# Allegro board HY_MPMB_2S12_RZ_V10A.brd
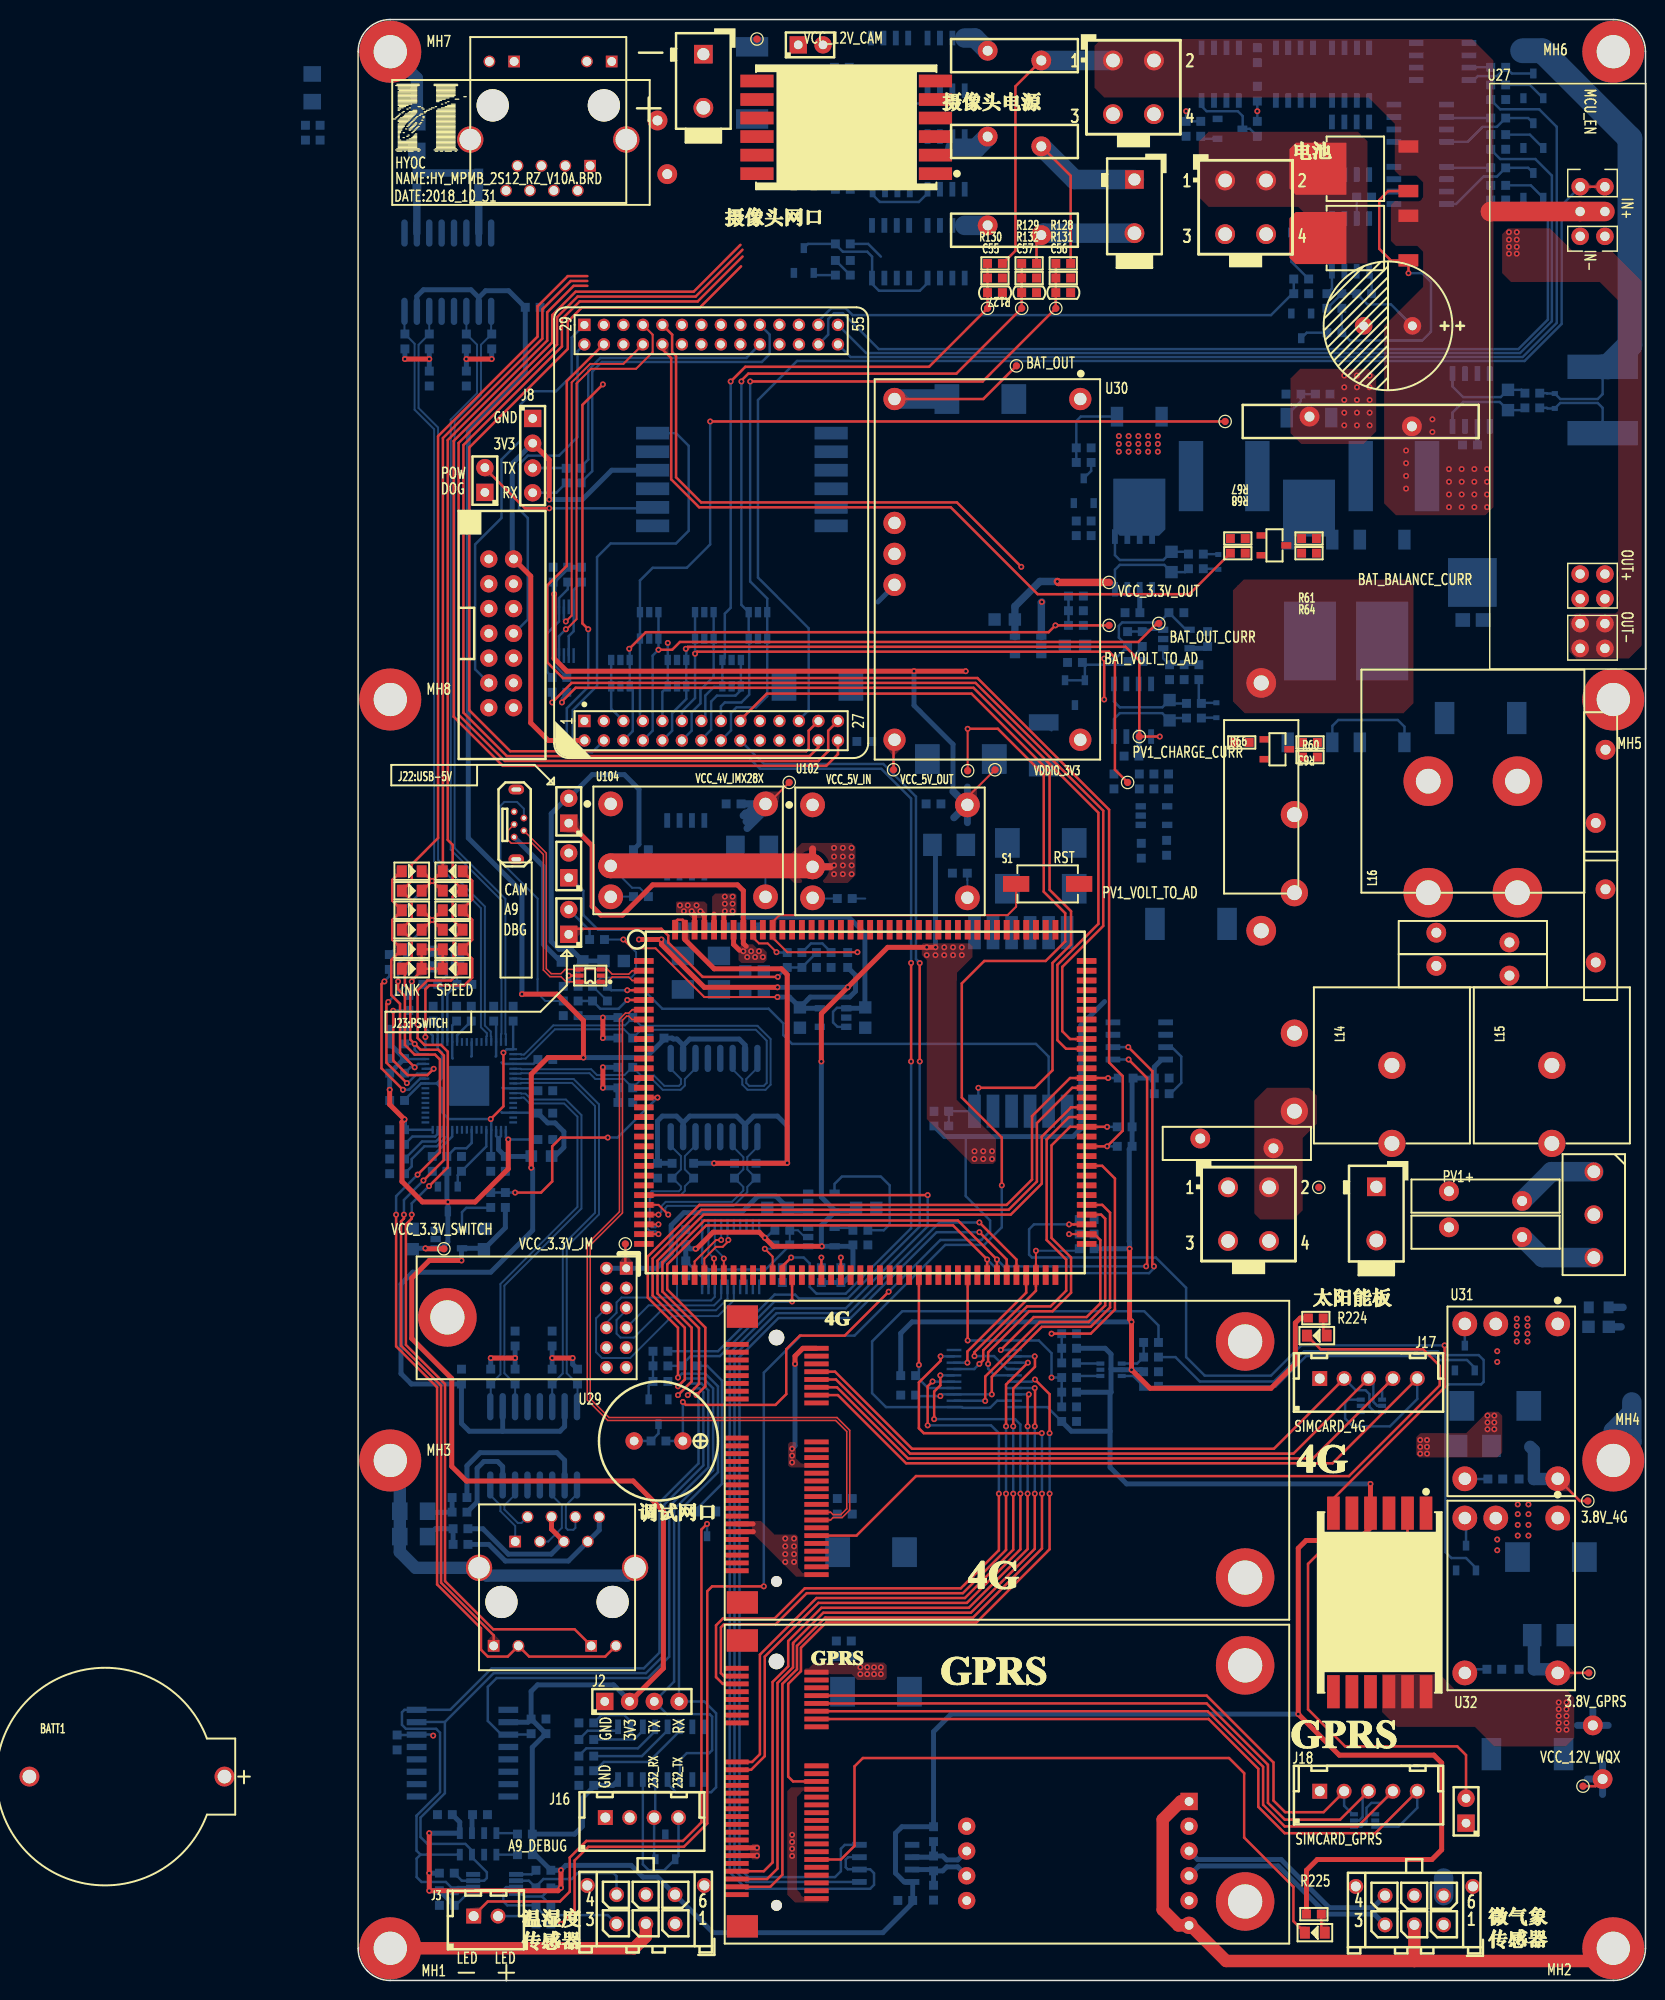
[diagram p0: board, top side]
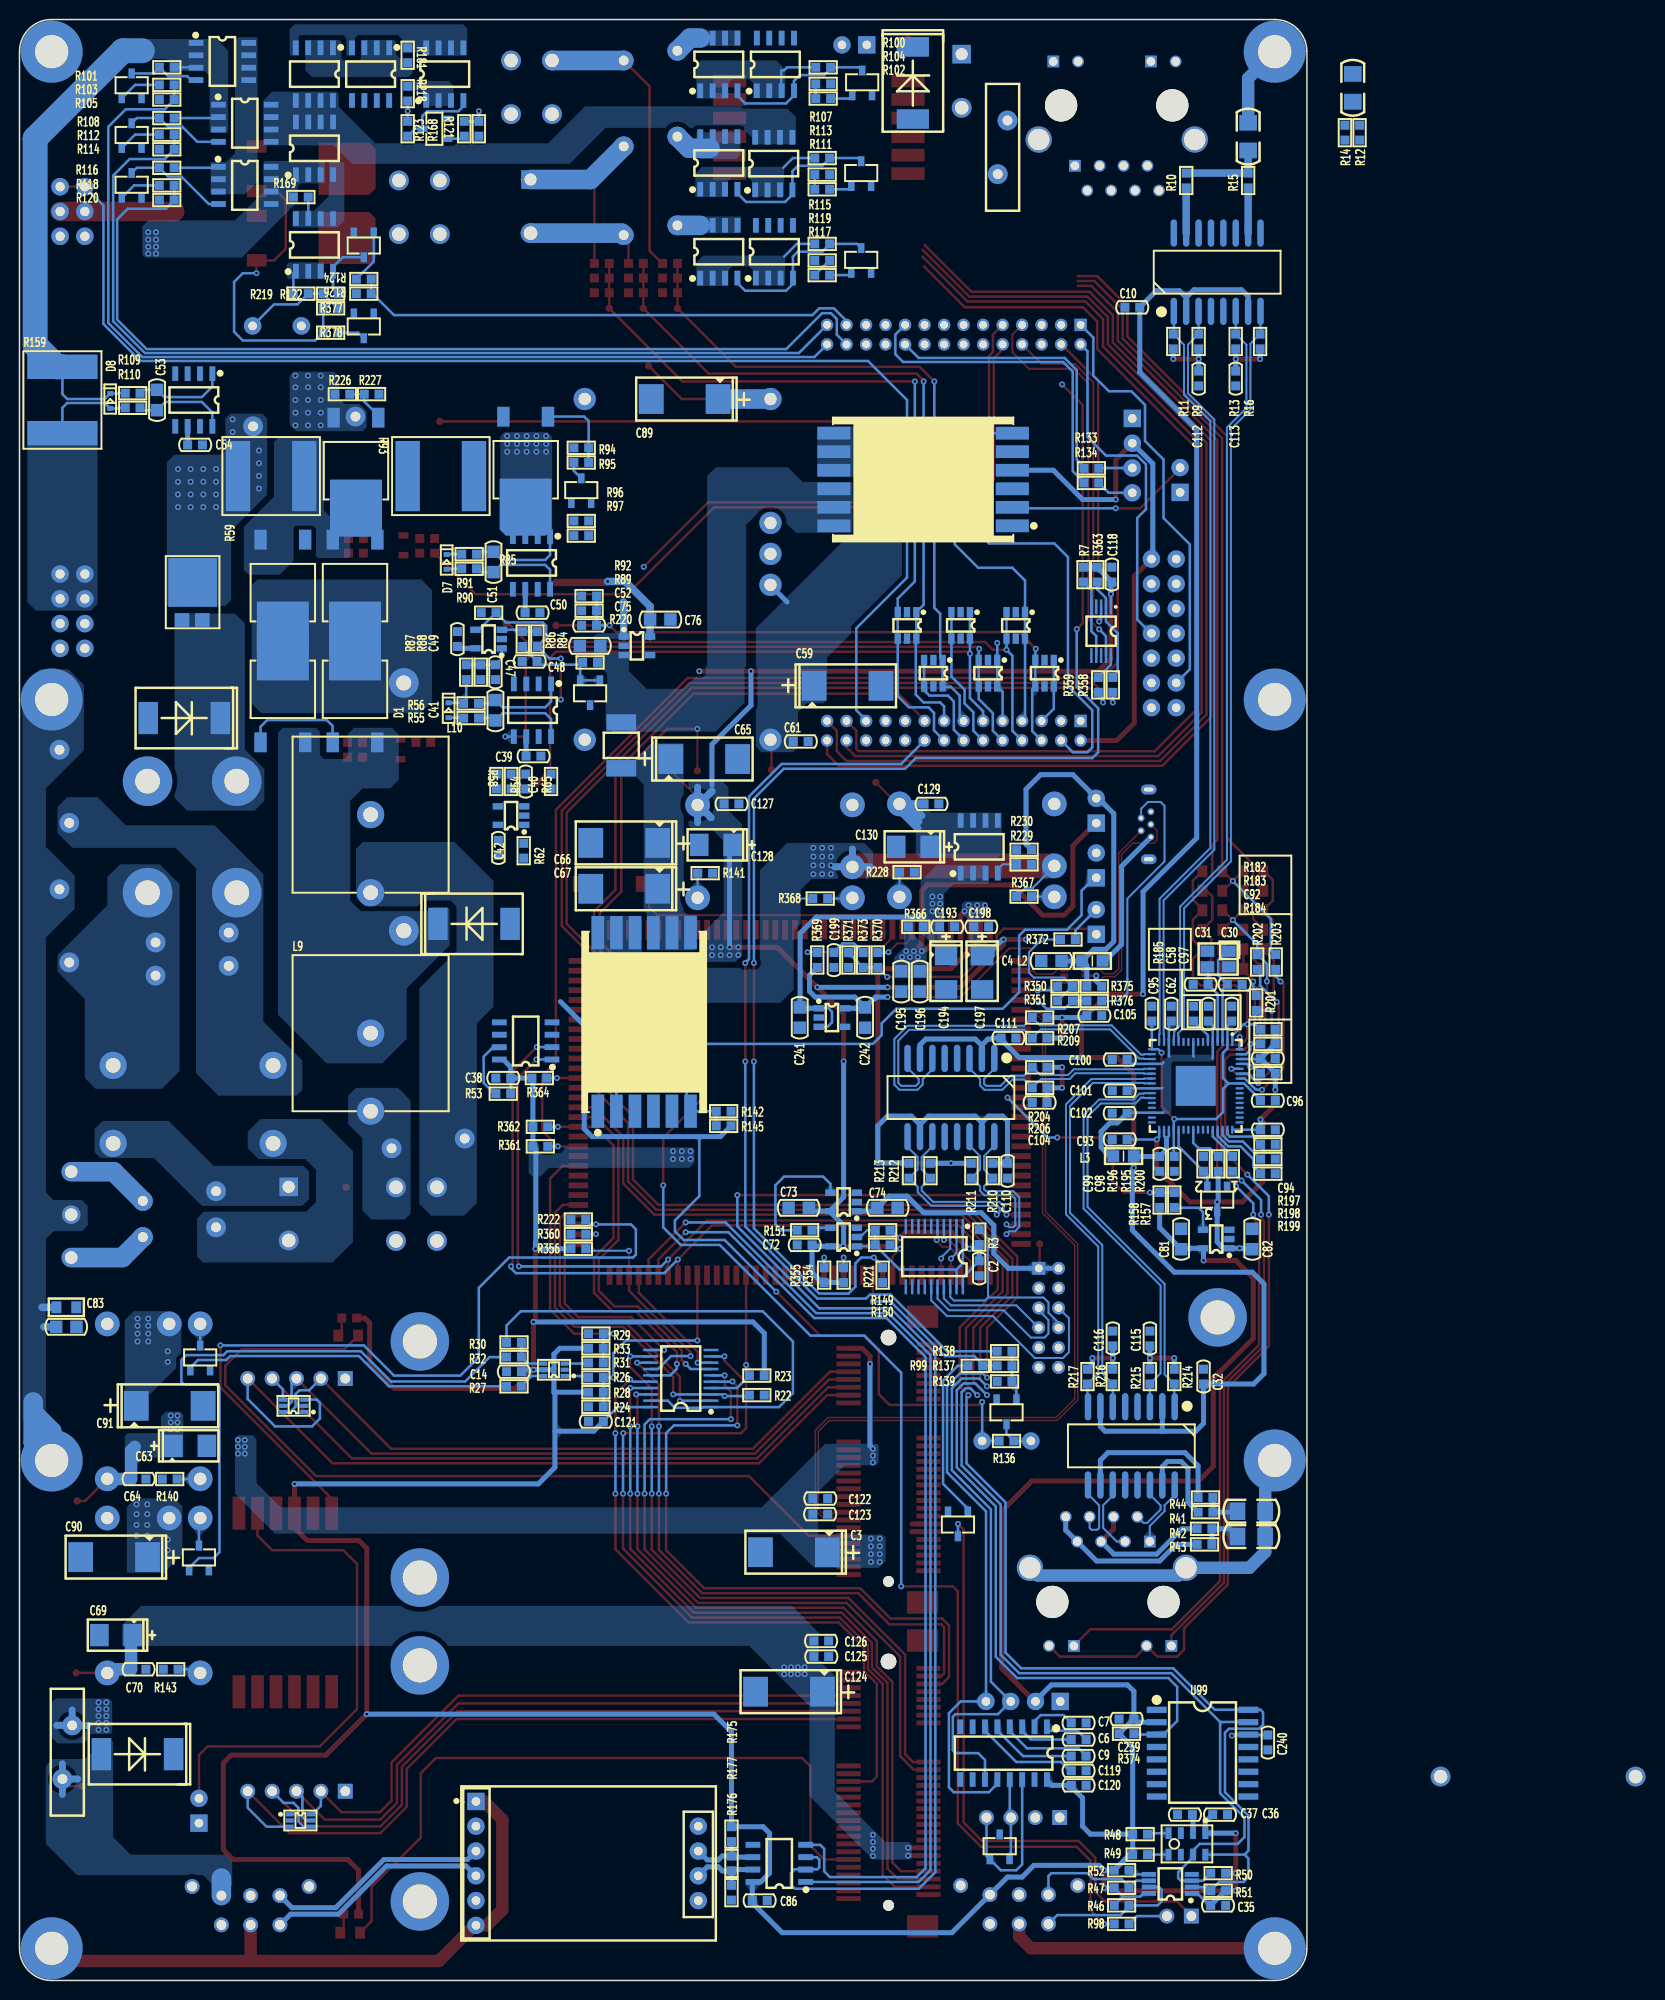
[diagram p1: board, bottom side, seen from below]

Outline 132 x 201 mm; copper layers: TOP, L02_GND, L03_VCC, BOTTOM. Coordinates in mm from the lower left corner of the outline.
Outline path: 0,197.7 0,3.3 arc(0.97,0.97) 3.3,0 128.7,0 arc(131.03,0.97) 132,3.3 132,197.7 arc(131.03,200.03) 128.7,201 3.3,201 arc(0.97,200.03) 0,197.7

## Design rules (mm)
constraint set DEFAULT: min track width 0.203, pair gap 0.203
net group DP1: nets A B
net group DP2: nets DEBUG_RXN DEBUG_RXP
net group DP3: nets DEBUG_TXN DEBUG_TXP
net group DP4: nets RXN RXP
net group DP5: nets USB_0_DM USB_0_DP
net group DP6: nets ENET0_TXN0 ENET0_TXP0
net group DP7: nets TXN2 TXP2
net group DP8: nets RXN1 RXP1
net group DP9: nets RXN3 RXP3
net group DP10: nets TXN TXP
net group DP11: nets ENET0_RXN0 ENET0_RXP0
net group DP12: nets TXN1 TXP1
net group DP13: nets TXN3 TXP3
net group DP14: nets RXN2 RXP2
net group DP15: nets USB_1_DM USB_1_DP

## Placement (name value [footprint] x y rotation side)
BATT1  -  [CR2032]  -23.7 20.9 0 top
C2  0.1uF_50V  [CC0603]  33.6 73 270 bottom
C3  220uF_10V  [CC7343_31]  52.6 43.9 0 bottom
C4  10uF_25V  [CC0805]  26.2 104.5 180 bottom
C6  0.1uF_50V  [CC0603]  23.4 24.7 0 bottom
C7  0.1uF_50V  [CC0603]  23.4 26.4 0 bottom
C8  1nF_2000V  [C1206]  -4.7 194 270 bottom
C9  0.1uF_50V  [CC0603]  23.4 23 0 bottom
C10  0.1uF_50V  [CC0603]  17.9 171.5 0 bottom
C11  1nF_2000V  [C1206]  6.03 189 270 bottom
C14  0.1uF_50V  [CC0603]  81.3 62.4 0 bottom
C30  18pF_50V  [CC0603]  7.4 102.1 0 bottom
C31  18pF_50V  [CC0603]  10.9 102.1 180 bottom
C32  0.1uF_50V  [CC0603]  10.6 61.9 90 bottom
C33  1nF_2000V  [C1206]  5.7 48.1 0 bottom
C34  1nF_2000V  [C1206]  5.7 45.5 0 bottom
C35  0.1uF_50V  [CC0603]  9.1 7.7 0 bottom
C36  0.1uF_50V  [CC0603]  8.9 17 0 bottom
C37  0.1uF_50V  [CC0603]  12.5 17 0 bottom
C38  0.1uF_50V  [CC0603]  82.4 92.5 180 bottom
C39  0.1uF_50V  [CC0603]  79.3 125.5 180 bottom
C40  18pF_50V  [CC0603]  80.1 122.9 270 bottom
C41  10uF_25V  [CC0805]  83.2 130.2 270 bottom
C42  0.1uF_50V  [CC0603]  82.9 116.1 270 bottom
C47  0.1uF_50V  [CC0603]  87.1 137.5 270 bottom
C48  0.1uF_50V  [CC0603]  79.7 135.2 180 bottom
C49  0.1uF_50V  [CC0603]  83.2 134.1 270 bottom
C50  0.1uF_50V  [CC0603]  79.4 140.2 180 bottom
C51  10uF_25V  [CC0805]  83.4 145.4 270 bottom
C52  18pF_50V  [CC0603]  73.6 138.9 180 bottom
C53  10uF_25V  [CC0805]  117.9 162 270 bottom
C54  0.1uF_50V  [CC0603]  114 157.4 180 bottom
C55  18pF_50V  [CC0603]  65.3 173 0 top
C56  18pF_50V  [CC0603]  72.3 173 0 top
C57  18pF_50V  [CC0603]  68.8 173 0 top
C58  0.1uF_50V  [CC0603]  10.1 99.1 270 bottom
C59  47uF_25V  [CC7343_31]  47.1 132.7 180 bottom
C61  0.1uF_50V  [CC0603]  51.9 127 180 bottom
C62  0.1uF_50V  [CC0603]  13.9 99.1 270 bottom
C63  47uF_10V  [CC3528_12]  114.5 54.8 0 bottom
C64  0.1uF_50V  [CC0603]  119.8 51.4 180 bottom
C65  47uF_25V  [CC7343_31]  61.8 125.2 180 bottom
C66  47uF_25V  [CC7343_31]  70 116.6 0 bottom
C67  47uF_25V  [CC7343_31]  70 111.9 0 bottom
C69  47uF_10V  [CC3528_12]  122.1 35.4 180 bottom
C70  0.1uF_50V  [CC0603]  119.8 31.9 180 bottom
C72  0.1uF_50V  [CC0603]  51.5 75.4 180 bottom
C73  10uF_25V  [CC0805]  52.1 79.2 0 bottom
C74  10uF_25V  [CC0805]  43 79.2 180 bottom
C75  10uF_25V  [CC0805]  73.5 136.8 0 bottom
C76  10uF_25V  [CC0805]  66.3 139.5 180 bottom
C81  10uF_25V  [CC0805]  12.9 76 90 bottom
C82  10uF_25V  [CC0805]  5.6 76 90 bottom
C83  4.7nF_50V/NI  [CC0805]  127.2 67 0 bottom
C86  0.1uF_50V  [CC0603]  56.1 8.2 0 bottom
C89  47uF_25V  [CC7343_31]  63.8 162.1 0 bottom
C90  47uF_25V  [CC7343_31]  122.3 43.4 0 bottom
C91  47uF_25V  [CC7343_31]  116.6 58.9 180 bottom
C92  0.1uF_50V  [CC0603]  4 94.5 0 bottom
C93  0.1uF_50V  [CC0603]  19.2 86.2 180 bottom
C94  0.1uF_50V  [CC0603]  4 87.2 0 bottom
C95  0.1uF_50V  [CC0603]  15.9 99.1 270 bottom
C96  0.1uF_50V  [CC0603]  4 90.2 0 bottom
C97  0.1uF_50V  [CC0603]  7.7 99.1 270 bottom
C98  0.1uF_50V  [CC0603]  13.6 83.7 90 bottom
C99  0.1uF_50V  [CC0603]  15.1 83.7 90 bottom
C100  0.1uF_50V  [CC0603]  19.2 94.4 180 bottom
C101  0.1uF_50V  [CC0603]  19.2 91.2 180 bottom
C102  0.1uF_50V  [CC0603]  19.2 88.9 180 bottom
C104  0.1uF_50V  [CC0603]  27.4 90 0 bottom
C105  0.1uF_50V  [CC0603]  21.8 98.9 180 bottom
C110  0.1uF_50V  [CC0603]  30.7 83 270 bottom
C111  0.1uF_50V  [CC0603]  30.6 96.6 0 bottom
C112  0.1uF_50V  [CC0603]  11.1 164.2 270 bottom
C113  0.1uF_50V  [CC0603]  7.3 164.2 270 bottom
C115  0.1uF_50V  [CC0603]  16.1 65.8 90 bottom
C116  0.1uF_50V  [CC0603]  19.9 65.8 90 bottom
C117  1000uF_50V  [CAP-5R0-13X27]  105.6 169.6 180 top
C118  0.1uF_50V  [CC0603]  20 144.1 90 bottom
C119  0.1uF_50V  [CC0603]  23.4 21.5 0 bottom
C120  0.1uF_50V  [CC0603]  23.4 20 0 bottom
C121  0.1uF_50V  [CC0603]  72.9 57.3 0 bottom
C122  0.1uF_50V  [CC0603]  49.9 49.4 180 bottom
C123  1nF_50V  [CC0603]  49.9 47.8 0 bottom
C124  220uF_10V  [CC7343_31]  53.1 29.6 0 bottom
C125  0.1uF_50V  [CC0603]  49.8 33.2 180 bottom
C126  1nF_50V  [CC0603]  49.8 34.8 0 bottom
C127  0.1uF_50V  [CC0603]  59 120.6 180 bottom
C128  47uF_10V  [CC3528_12]  60.6 116.4 180 bottom
C129  0.1uF_50V  [CC0603]  38.5 120.6 180 bottom
C130  47uF_10V  [CC3528_12]  40.4 116.2 180 bottom
C193  0.1uF_50V  [CC0603]  36.9 108 180 bottom
C194  47uF_10V  [CC3528_12]  37 103.3 90 bottom
C195  10uF_25V  [CC0805]  41.6 102.4 270 bottom
C196  10uF_25V  [CC0805]  39.7 102.4 270 bottom
C197  47uF_10V  [CC3528_12]  33.3 103.3 90 bottom
C198  0.1uF_50V  [CC0603]  33.4 108 180 bottom
C199  0.1uF_50V  [CC0603]  48.5 104.6 270 bottom
C239  0.1uF_50V  [CC0603]  18.5 26.8 180 bottom
C240  0.1uF_50V  [CC0603]  4 24.4 270 bottom
C241  10uF_25V  [CC0805]  52 98.7 270 bottom
C242  10uF_25V  [CC0805]  45.3 98.7 270 bottom
D1  VESD01-02V-G-08  [SOD-523]  88 130.2 270 bottom
D7  VESD01-02V-G-08  [SOD-523]  88.2 145.4 270 bottom
D8  VESD01-02V-G-08  [SOD-523]  122.7 161.9 270 bottom
D9  SMDJ22CA  [DO-214AB]  40.4 194.5 270 bottom
D12  LED_GREEN/NI  [LED0805]  9.7 113.7 180 top
D16  SMDJ22CA  [DO-214AB]  119.9 23.2 0 bottom
D17  LED_GREEN/NI  [LED0805]  9.7 111.7 180 top
D18  LED_GREEN  [LED0805]  9.7 109.7 180 top
D19  LED_GREEN/NI  [LED0805]  9.7 107.7 180 top
D20  LED_GREEN/NI  [LED0805]  9.7 105.7 180 top
D21  LED_GREEN  [LED0805]  9.7 103.7 180 top
D22  LED_YELLOW/NI  [LED0805]  5.5 113.7 0 top
D23  LED_YELLOW/NI  [LED0805]  5.5 111.7 0 top
D24  LED_YELLOW  [LED0805]  5.5 109.7 0 top
D25  LED_YELLOW/NI  [LED0805]  5.5 107.7 0 top
D26  LED_YELLOW/NI  [LED0805]  5.5 105.7 0 top
D27  LED_YELLOW  [LED0805]  5.5 103.7 0 top
D30  LED_GREEN  [LED0805]  98.3 66.1 180 top
D31  LED_GREEN  [LED0805]  98.1 4.9 180 top
D32  SMDJ22A  [DO-214AB]  85.4 108.3 180 bottom
D33  SMDJ22A  [DO-214AB]  115.1 129.4 0 bottom
D34  V10P10  [TO-227A]  114.3 143.3 180 bottom
F4  -  [JK30-300]  127.1 23.4 270 bottom
F5  -  [JK30-300]  67.3 197.3 180 top
F6  -  [JK30-300]  67.3 179.4 180 top
F7  -  [JK30-300]  31.2 187.9 90 bottom
F8  JK30-500  [JK30-900]  102.8 159.8 0 top
F9  -  [JK30-300]  67.3 188.5 180 top
GDT4  -  [3RM075L-6]  126.7 78.5 270 top
J1  RJ45/1X8/BILED  [RJ45X1_LED_VTK]  11.5 182.2 0 top
J2  -  [HEADER4X1_2R54]  29.1 28.6 0 top
J3  -  [XHB-2A]  13.1 6.6 0 top
J4  RJ45/1X8/BILED  [RJ45X1_LED_VTK]  28.4 48.8 180 top
J5  3928-1043  [5566_04A]  89.2 75.8 0 top
J8  -  [HEADER4X1_2R54]  17.9 156.3 270 top
J9  HEADER7X2_2R54  [HEADER7X2_2R54_JTAG]  13.4 145.7 270 top
J10  -  [HEADER2X1_2R54]  13 153.8 90 top
J11  3928-1023  [5566_02A]  35.4 194.7 0 top
J13  3928-1043  [5566_04A]  77.4 191.3 0 top
J14  HEADER2X1_2R54/NI  [HEADER2X1_2R54]  46.4 198.4 0 top
J15  HEADER2X1_2R54/NI  [HEADER2X1_2R54]  113.6 17.4 90 top
J16  XHB-4A  [XH-4A]  29.1 16.7 0 top
J17  -  [XHB-5A]  103.6 61.7 0 top
J18  -  [XHB-5A]  103.6 19.4 0 top
J19  43045-0612/NI  [43045-0612]  26.5 5.8 0 top
J20  -  [43045-0612]  105.3 5.7 0 top
J21  HEADER2X1_2R54/NI  [HEADER2X1_2R54]  21.6 114.3 90 top
J22  -  [HEADER2X1_2R54]  21.6 119.9 90 top
J23  -  [HEADER2X1_2R54]  21.6 108.5 90 top
J25  3928-1023  [5566_02A]  104.4 78.6 0 top
J26  3928-1023  [5566_02A]  79.6 181.85 0 top
J27  3928-1043  [5566_04A]  88.9 179 0 top
L2  BLM21PG600  [LC0805]  22 104.5 180 bottom
L3  BLM21PG600  [LC0805]  18.8 84.5 0 bottom
L8  FBMH4532HM132-T  [L1812]  70.3 126.6 270 bottom
L9  204-L-1mH  [204-L-1MH]  96 89.1 90 bottom
L10  204-L-1mH  [204-L-1MH]  96 111.5 90 bottom
L14  204-L-1mH  [204-L-1MH]  106 85.8 90 top
L15  204-L-1mH  [204-L-1MH]  122.4 85.8 90 top
L16  204-LLB-1mH  [204-LLB-1MH]  114.3 111.5 90 top
MH1  HOLD-M3  [HOLD250D134]  3.3 3.3 0 top
MH2  HOLD-M3  [HOLD250D134]  128.7 3.3 0 top
MH3  HOLD-M3  [HOLD250D134]  3.3 53.3 0 top
MH4  HOLD-M3  [HOLD250D134]  128.7 53.3 0 top
MH5  HOLD-M3  [HOLD250D134]  128.7 131.3 0 top
MH6  HOLD-M3  [HOLD250D134]  128.7 197.7 0 top
MH7  HOLD-M3  [HOLD250D134]  3.3 197.7 0 top
MH8  HOLD-M3  [HOLD250D134]  3.3 131.3 0 top
NOREF  -  []  0 0 90 top
NOREF#2  -  []  -0.21 0 0 top
NOREF#3  -  []  0 0 0 top
NOREF#4  -  []  0 0 90 top
NOREF#5  -  []  0 0 90 top
NOREF#6  -  []  0 0 90 top
NOREF#7  -  []  0 0 0 top
NOREF#8  -  []  0 0 0 top
NOREF#9  -  []  0 0 90 top
Q1  NCE60P50K  [TO-252-2L]  97.6 132.5 180 bottom
Q2  NCE60P50K  [TO-252-2L]  105 142.1 0 bottom
Q3  2N7002  [SOT23-3]  94.2 126.2 270 top
Q4  2N7002  [SOT23-3]  93.9 147.1 270 top
Q9  NCE60P50K  [TO-252-2L]  80.1 154.7 0 bottom
Q10  2N7002  [SOT23-3]  74.4 152.7 180 bottom
Q11  2N7002  [SOT23-3]  30.8 58.3 0 bottom
Q12  IRF9321TRPbF  [SOIC8]  60.3 196.4 180 bottom
Q13  IRF9321TRPbF  [SOIC8]  54.5 196.4 180 bottom
Q14  IRF9321TRPbF  [SOIC8]  111.2 196.7 270 bottom
Q15  2N7002  [SOT23-3]  45.6 194.5 180 bottom
Q16  2N7002  [SOT23-3]  120.5 194.2 180 bottom
Q17  IRF9321TRPbF  [SOIC8]  60.3 186.3 180 bottom
Q18  IRF9321TRPbF  [SOIC8]  54.67 186.23 180 bottom
Q19  IRF9321TRPbF  [SOIC8]  108.9 190.37 270 bottom
Q20  2N7002  [SOT23-3]  45.7 185.2 180 bottom
Q21  2N7002  [SOT23-3]  120.5 189.1 180 bottom
Q22  IRF9321TRPbF  [SOIC8]  60.3 177.2 180 bottom
Q23  IRF9321TRPbF  [SOIC8]  54.6 177.2 180 bottom
Q24  IRF9321TRPbF  [SOIC8]  108.9 184 270 bottom
Q25  2N7002  [SOT23-3]  45.7 176.3 180 bottom
Q26  2N7002  [SOT23-3]  120.5 184 180 bottom
Q28  IRF9321TRPbF  [SOIC8]  88.4 195.4 180 bottom
Q29  IRF9321TRPbF  [SOIC8]  101.76 177.9 180 bottom
Q30  2N7002  [SOT23-3]  89.4 189.8 90 bottom
Q31  2N7002  [SOT23-3]  96.7 177.9 0 bottom
Q45  2N7002  [SOT23-3]  113.47 63.8 180 bottom
Q47  2N7002  [SOT23-3]  113.6 43.3 180 bottom
Q53  AO4402  [SOIC8]  101.76 195.4 0 bottom
Q54  AO4402  [SOIC8]  96 195.4 0 bottom
Q55  AO4402  [SOIC8]  101.76 187.8 180 bottom
Q56  2N7002  [SOT23-3]  35.78 46.8 0 bottom
Q57  NCE60P50K  [TO-252-2L]  97.5 154.6 0 bottom
Q58  IRF9321TRPbF  [SOIC8]  33.6 116.2 180 bottom
Q59  NCE60P50K  [TO-252-2L]  105 132.5 180 bottom
Q60  NCE60P50K  [TO-252-2L]  97.6 142.1 0 bottom
Q61  NCE60P50K  [TO-252-2L]  102.1 185.7 90 top
Q62  2N7002  [SOT23-3]  96.7 169.6 0 bottom
Q63  NCE60P50K  [TO-252-2L]  102.1 178.6 90 top
R3  47K  [RC0603]  33.6 76.2 90 bottom
R7  10K  [RC0603]  22.9 144.1 270 bottom
R9  49.9R  [RC0603]  11.1 168 270 bottom
R10  75R  [RC0603]  12.38 184.5 90 bottom
R11  49.9R  [RC0603]  13.7 168 270 bottom
R12  75R  [RC0603]  -5.4 189.4 90 bottom
R13  49.9R  [RC0603]  7.3 168 270 bottom
R14  75R  [RC0603]  -3.9 189.4 90 bottom
R15  75R  [RC0603]  6.03 184.5 90 bottom
R16  49.9R  [RC0603]  4.8 168 270 bottom
R22  47K  [RC0603]  56.4 60 0 bottom
R23  10K  [RC0603]  56.4 62 0 bottom
R24  47K  [RC0603]  72.9 58.8 0 bottom
R26  1K  [RC0603]  72.9 61.8 0 bottom
R27  1K  [RC0603]  81.3 60.9 0 bottom
R28  10K/NI  [RC0603]  72.9 60.3 180 bottom
R29  47K  [RC0603]  72.9 66.3 0 bottom
R30  1K  [RC0603]  81.3 65.4 0 bottom
R31  1K  [RC0603]  72.9 63.3 0 bottom
R32  1K  [RC0603]  81.3 63.9 0 bottom
R33  10K/NI  [RC0603]  72.9 64.8 180 bottom
R41  75R  [RC0603]  10.4 48 180 bottom
R42  75R  [RC0603]  10.5 46.3 180 bottom
R43  75R  [RC0603]  10.5 44.7 180 bottom
R44  75R  [RC0603]  10.4 49.5 180 bottom
R46  10K  [RC0603]  19 7.7 180 bottom
R47  10K  [RC0603]  19 9.5 180 bottom
R48  4.7K  [RC0603]  17.1 15 180 bottom
R49  10K  [RC0603]  17.1 12.9 180 bottom
R50  10K  [RC0603]  9.1 11 0 bottom
R51  10K  [RC0603]  9.1 9.2 0 bottom
R52  10K/NI  [RC0603]  19 11.3 180 bottom
R53  10K  [RC0603]  82.4 90.9 0 bottom
R54  4.7K  [RC0603]  81.6 122.9 90 bottom
R55  10R  [RC0603]  85.7 129.4 0 bottom
R56  10R  [RC0603]  85.7 130.9 0 bottom
R57  100R/2W  [RES1000]  92.6 107.6 0 top
R58  47K  [RC0603]  83.1 122.9 270 bottom
R59  0.015R/4W  [RC_6871]  106.2 154.2 0 bottom
R60  39.2K  [RC0603]  97.6 126.9 180 top
R61  39.2K  [RC0603]  97.5 147.8 0 top
R62  47K  [RC0603]  80.3 115.8 270 bottom
R63  20K  [RC0603]  97.6 125.4 180 top
R64  20K  [RC0603]  97.5 146.3 180 top
R65  1K  [RC0603]  77.5 122.9 270 bottom
R66  4.7K  [RC0603]  90.6 126.9 0 top
R67  4.7K  [RC0603]  90.2 147.8 0 top
R68  47K  [RC0603]  90.2 146.3 180 top
R84  5.62K  [RC0603]  78.9 137.5 270 bottom
R85  10K  [RC0603]  83.9 140.2 0 bottom
R86  1K  [RC0603]  80.4 137.5 90 bottom
R87  47K  [RC0603]  86.2 134.1 90 bottom
R88  10K  [RC0603]  84.7 134.1 90 bottom
R89  10K  [RC0603]  73.6 140.4 0 bottom
R90  10R  [RC0603]  85.9 144.7 0 bottom
R91  10R  [RC0603]  85.9 146.2 0 bottom
R92  47K  [RC0603]  73.6 141.9 180 bottom
R93  0.025R/4W  [RC_6871]  88.8 154.2 180 bottom
R94  39.2K  [RC0603]  74.4 157.1 0 bottom
R95  20K  [RC0603]  74.4 155.6 0 bottom
R96  4.7K  [RC0603]  74.4 149.6 0 bottom
R97  47K  [RC0603]  74.4 148.1 180 bottom
R98  4.7K  [RC0603]  19 5.8 180 bottom
R99  4.7K  [RC0603]  34 63 0 bottom
R100  47K  [RC0603]  49.6 196.1 0 bottom
R101  47K  [RC0603]  116.9 196.1 180 bottom
R102  4.7K  [RC0603]  49.6 192.9 180 bottom
R103  4.7K  [RC0603]  116.9 194.3 0 bottom
R104  47K  [RC0603]  49.6 194.4 0 bottom
R105  47K  [RC0603]  116.9 192.8 180 bottom
R107  47K  [RC0603]  49.7 186.8 0 bottom
R108  47K  [RC0603]  116.9 190.9 180 bottom
R109  10R  [RC0603]  120.4 162.7 0 bottom
R110  10R  [RC0603]  120.4 161.2 0 bottom
R111  4.7K  [RC0603]  49.7 183.6 180 bottom
R112  4.7K  [RC0603]  116.9 189.2 0 bottom
R113  47K  [RC0603]  49.7 185.1 0 bottom
R114  47K  [RC0603]  116.9 187.7 180 bottom
R115  47K  [RC0603]  49.7 178 0 bottom
R116  47K  [RC0603]  116.9 185.8 180 bottom
R117  4.7K  [RC0603]  49.7 174.8 180 bottom
R118  4.7K  [RC0603]  116.9 184 0 bottom
R119  47K  [RC0603]  49.7 176.3 180 bottom
R120  47K  [RC0603]  116.9 182.5 180 bottom
R121  47K  [RC0603]  92.2 189.8 90 bottom
R122  47K  [RC0603]  100.1 172.9 0 bottom
R123  4.7K  [RC0603]  86.4 189.8 270 bottom
R124  4.7K  [RC0603]  96.7 174.4 0 bottom
R126  47K  [RC0603]  96.7 172.9 180 bottom
R127  47K  [RC0603]  65.3 176 0 top
R128  47K  [RC0603]  72.3 176 0 top
R129  47K  [RC0603]  68.8 176 0 top
R130  10K  [RC0603]  65.3 174.5 180 top
R131  10K  [RC0603]  72.3 174.5 180 top
R132  10K  [RC0603]  68.8 174.5 180 top
R133  1K  [RC0603]  22.1 155 180 bottom
R134  1K  [RC0603]  22.1 153.5 180 bottom
R136  1K  [RC0603]  30.8 55.3 180 bottom
R137  4.7K/NI  [RC0603]  31 63 180 bottom
R138  4.7K  [RC0603]  31 64.5 180 bottom
R139  47K  [RC0603]  31 61.4 180 bottom
R140  6.34K  [RC0603]  116.6 51.4 180 bottom
R141  402R  [RC0603]  61.7 113.5 180 bottom
R142  47K/NI  [RC0603]  59.8 89.1 180 bottom
R143  4.99K  [RC0603]  116.5 31.9 180 bottom
R145  10K  [RC0603]  59.8 87.6 0 bottom
R149  47K  [RC0603]  43.5 76.9 180 bottom
R150  20R  [RC0603]  43.5 75.4 180 bottom
R151  1K  [RC0603]  51.5 76.9 180 bottom
R156  10M/NI  [R0805]  127.2 69 180 bottom
R157  4.7K  [RC0603]  13.6 80 270 bottom
R158  47K  [RC0603]  15.1 80 270 bottom
R159  0.025R/4W  [RC_6871]  127.6 162 270 bottom
R168  47K  [RC0603]  84.9 189.8 90 bottom
R169  47K  [RC0603]  103.15 182.8 0 bottom
R175  4.7K  [RC0603]  59 15 270 bottom
R176  4.7K  [RC0603]  59 9 270 bottom
R177  120R/NI  [RC0603]  59 12 270 bottom
R181  47K  [RC0603]  92.2 197.34 270 bottom
R182  4.7K  [RC0603]  4 97.5 0 bottom
R183  4.7K/NI  [RC0603]  4 96 180 bottom
R184  4.7K  [RC0603]  4 93 180 bottom
R185  4.99K  [RC0603]  11.6 99.1 270 bottom
R195  4.7K  [RC0603]  9.1 83.7 270 bottom
R196  100K  [RC0603]  10.6 83.7 270 bottom
R197  4.7K  [RC0603]  4 85.7 180 bottom
R198  4.7K/NI  [RC0603]  4 84.2 180 bottom
R199  4.7K  [RC0603]  4 82.7 180 bottom
R200  4.7K  [RC0603]  7.6 83.7 270 bottom
R201  4.7K  [RC0603]  5.2 100.2 90 bottom
R202  4.7K  [RC0603]  5.1 104.4 90 bottom
R203  4.7K  [RC0603]  3.2 104.4 90 bottom
R204  49.9R  [RC0603]  27.4 93.6 0 bottom
R206  49.9R  [RC0603]  27.4 91.5 0 bottom
R207  49.9R  [RC0603]  27.4 98.7 0 bottom
R209  49.9R  [RC0603]  27.4 96.6 0 bottom
R210  49.9R  [RC0603]  32.2 83 90 bottom
R211  49.9R  [RC0603]  34.4 83 90 bottom
R212  49.9R  [RC0603]  38.6 83 90 bottom
R213  49.9R  [RC0603]  40.8 83 90 bottom
R214  49.9R  [RC0603]  13.6 61.9 90 bottom
R215  49.9R  [RC0603]  16.1 61.9 90 bottom
R216  49.9R  [RC0603]  19.9 61.9 90 bottom
R217  49.9R  [RC0603]  22.5 61.9 90 bottom
R218  10R  [RC0603]  92.2 193.4 90 bottom
R219  10R  [RC0603]  103.15 172.9 0 bottom
R220  1K  [RC0603]  73.5 135.1 0 bottom
R221  47K  [RC0603]  43.5 72.3 90 bottom
R222  47K  [RC0603]  74.7 78 180 bottom
R224  10K  [RC0603]  98.2 67.9 0 top
R225  10K  [RC0603]  98 6.8 0 top
R226  39.2K  [RC0603]  98.9 162.6 0 bottom
R227  20K  [RC0603]  95.9 162.6 180 bottom
R228  33R  [RC0603]  41 113.6 180 bottom
R229  4.7K  [RC0603]  29 114.4 0 bottom
R230  402R  [RC0603]  29 115.9 0 bottom
R350  10K  [RC0603]  24.8 101.9 0 bottom
R351  10K/NI  [RC0603]  24.8 100.4 180 bottom
R354  20K  [RC0603]  47.5 72.3 270 bottom
R355  20K  [RC0603]  49.5 72.3 270 bottom
R356  20K  [RC0603]  74.7 75 0 bottom
R358  20R  [RC0603]  19.9 132.8 90 bottom
R359  20R  [RC0603]  21.4 132.8 90 bottom
R360  20K  [RC0603]  74.7 76.5 180 bottom
R361  10K  [RC0603]  78.6 85.5 0 bottom
R362  20K  [RC0603]  78.6 87.5 0 bottom
R363  20K  [RC0603]  21.5 144.1 90 bottom
R364  20K  [RC0603]  78.7 92.5 0 bottom
R366  0R  [RC0603]  40.1 108 180 bottom
R367  20K  [RC0603]  29 111.1 180 bottom
R368  20K  [RC0603]  49.9 110.9 180 bottom
R369  10K  [RC0603]  50.2 104.6 270 bottom
R370  1K  [RC0603]  44 104.6 270 bottom
R371  100K  [RC0603]  47 104.6 270 bottom
R372  10K  [RC0603]  24.5 106.7 0 bottom
R373  1K  [RC0603]  45.5 104.6 90 bottom
R374  10K  [RC0603]  18.5 25.3 0 bottom
R375  10K  [RC0603]  21.8 101.9 180 bottom
R376  0R  [RC0603]  21.8 100.4 180 bottom
R377  39.2K  [RC0603]  100.1 171.4 180 bottom
R378  20K  [RC0603]  100.1 168.9 180 bottom
S1  KEY  [KEY_SMD_2]  70.7 112.4 0 top
T1  HR661655E  [MAG-100M-1]  9.2 175.1 90 bottom
T2  HR661655E  [MAG-100M-1]  18 54.8 270 bottom
T3  HR661655E  [MAG-100M-1]  36.5 90.5 270 bottom
TP4  TestPoint  [TP-0R75]  98.5 81.3 0 top
TP5  TestPoint  [TP-0R75]  78.9 122.8 0 top
TP6  TestPoint  [TP-0R75]  80.1 127.5 0 top
TP10  TestPoint  [TP-0R75]  82.1 139.1 0 top
TP11  TestPoint  [TP-0R75]  77 138.9 0 top
TP12  TestPoint  [TP-0R75]  88.9 159.8 0 top
TP13  TestPoint  [TP-0R75]  64.54 171.4 0 top
TP14  TestPoint  [TP-0R75]  71.54 171.4 0 top
TP15  TestPoint  [TP-0R75]  68.04 171.4 0 top